# Altium PCB e-puck3-coreboard.PcbDoc (part 1 of 7) (continued)
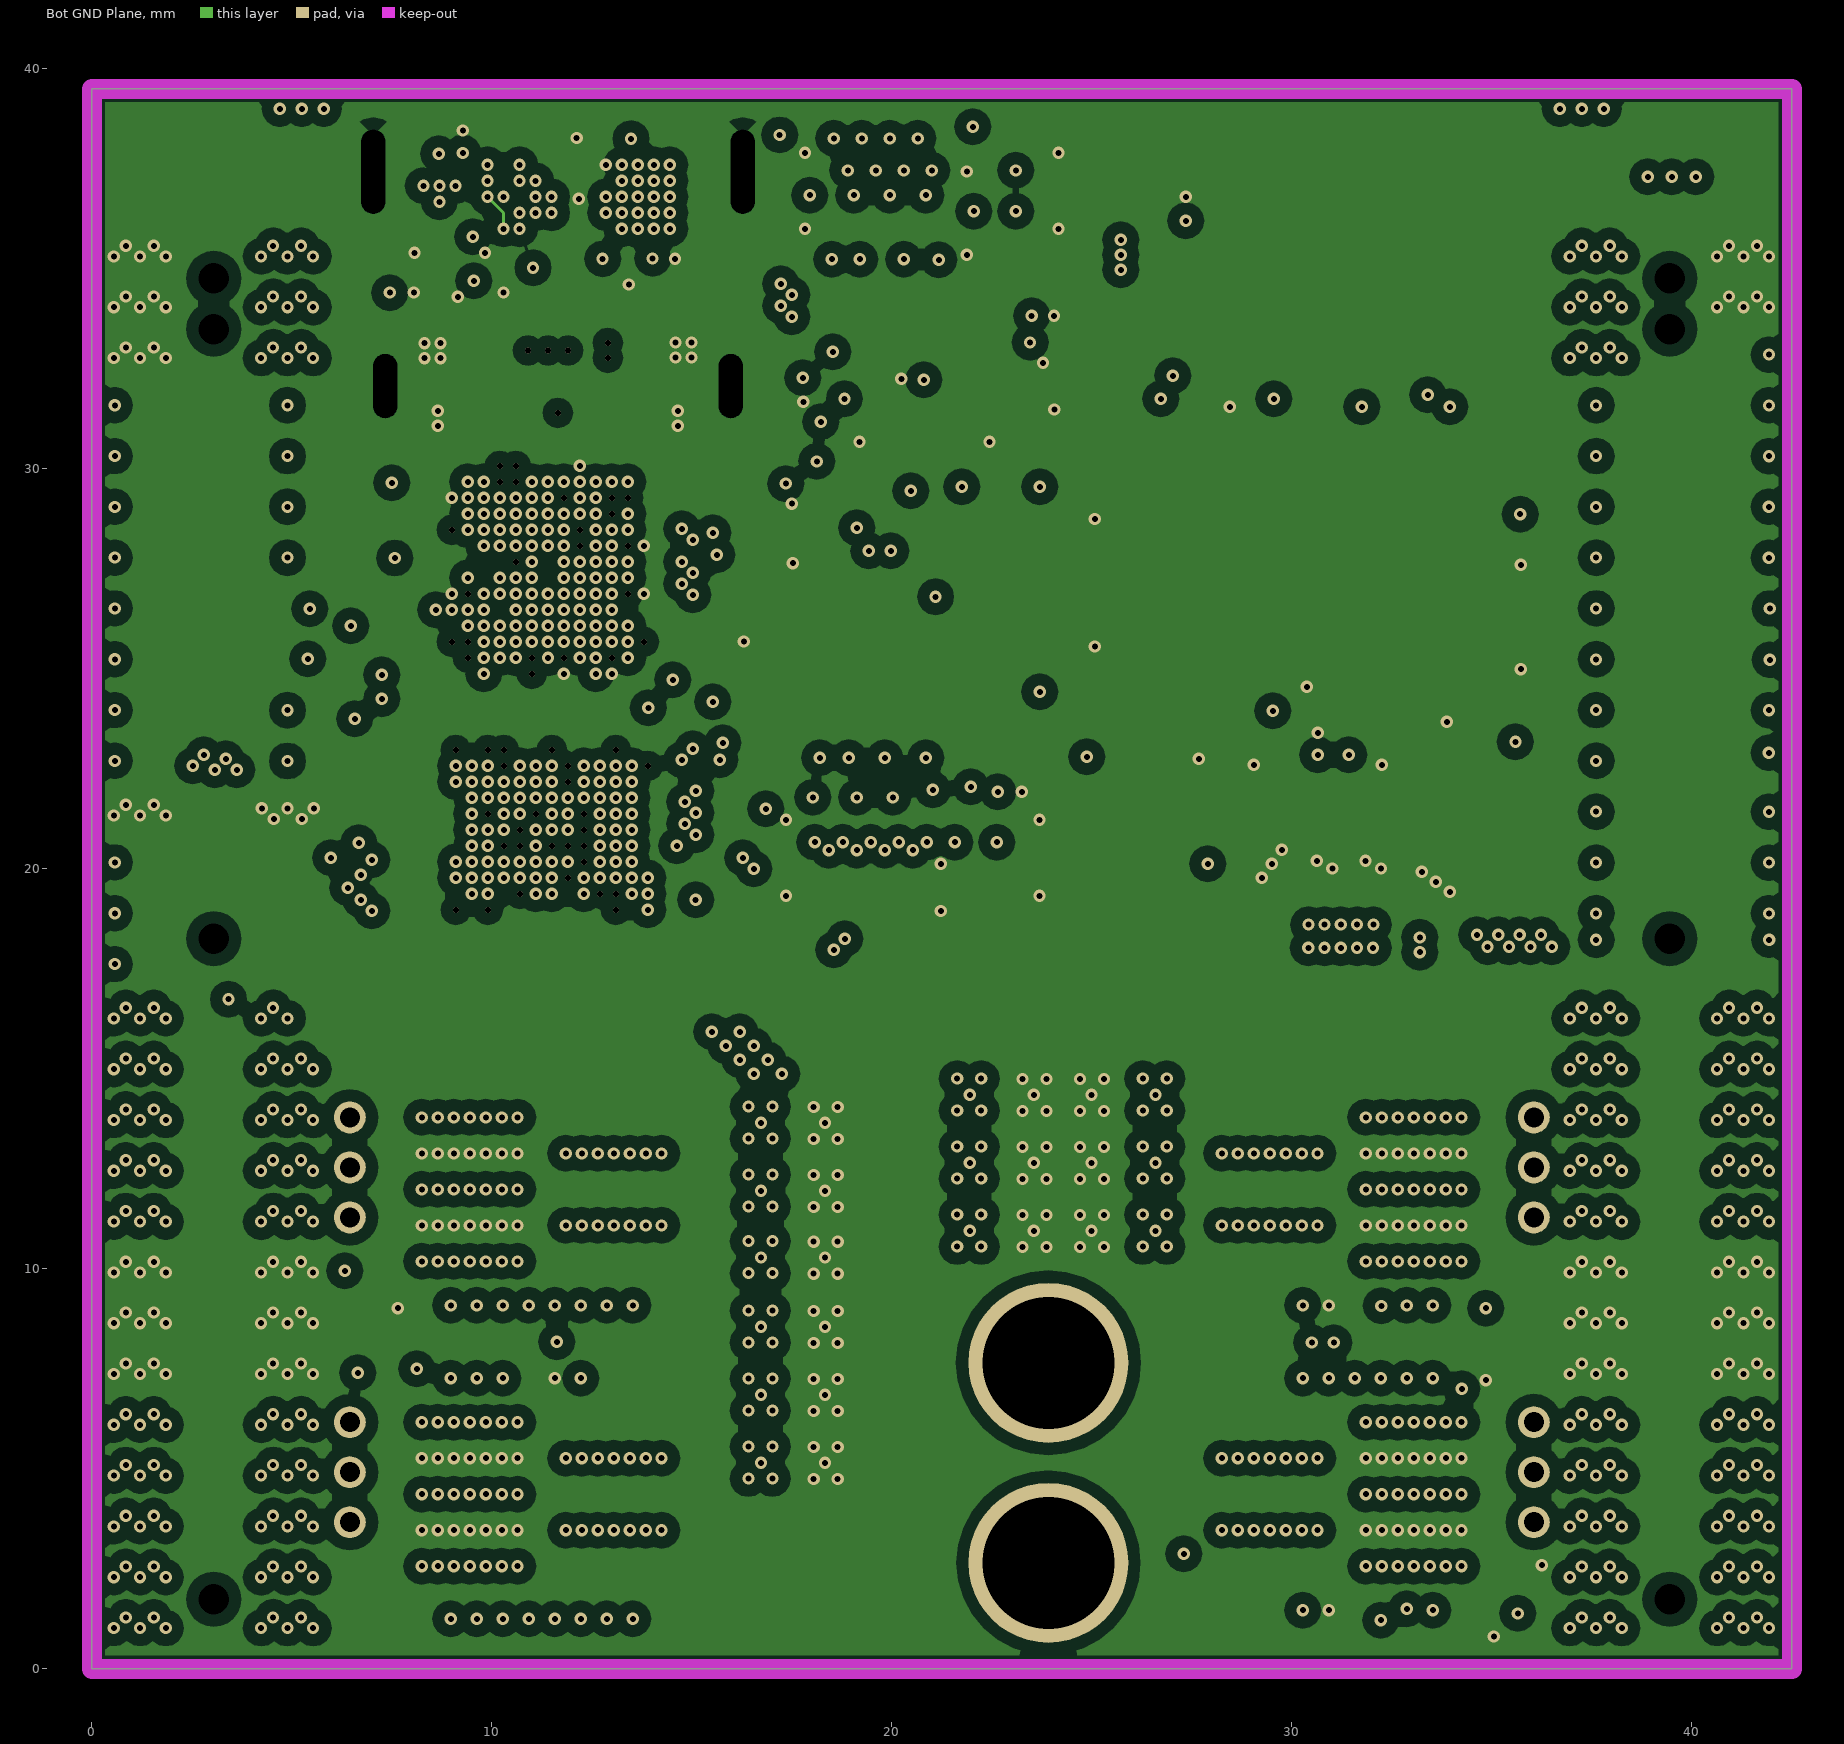
[diagram p9: Bot GND Plane]

## Layer stack, top to bottom
Top Solder: solder mask 0.0102, Solder Resist, Dk 3.5
Top Layer: signal copper 0.035
Dielectric 1: prepreg 0.1016, Dk 4.3
Top GND Plane: signal copper 0.035
Dielectric 9: core 0.127, Dk 4.3
Top Mid Layer 1: signal copper 0.035
Dielectric 6: prepreg 0.1016, Dk 4.3
Top Mid Layer 2: signal copper 0.035
Dielectric 3: core 0.127, Dk 4.3
Mid GND Plane: signal copper 0.035
Dielectric 5: prepreg 0.1016, Dk 4.3
Bot Mid Layer 3: signal copper 0.035
Dielectric 7: core 0.127, Dk 4.3
Bot Mid Layer 2: signal copper 0.035
Dielectric 4: prepreg 0.1016, Dk 4.3
Bot Mid Layer 1: signal copper 0.035
Dielectric 10: core 0.127, Dk 4.3
Bot GND Plane: signal copper 0.035
Dielectric 2: prepreg 0.1016, Dk 4.3
Bottom Layer: signal copper 0.035
Bottom Solder: solder mask 0.0102, Solder Resist, Dk 3.5

## Board outline
0,0 42.5,0 42.5,39.5 0,39.5

## Design rules (kind name [scope] priority, off if disabled: settings)
AcuteAngle [All] p1 off: minimum=8.80000000000000E+0001 checktracksonly=FALSE
BoardOutlineClearance [All] p1: gap=0.25 ignorepadtopadclearanceinfootprint=FALSE
Clearance Clearance_polygon_POWER [(InPolygon AND InNetClass('POWER_PLANE')) vs not (OnLayer('Keep-Out Layer'))] p1: gap=0.3 ignorepadtopadclearanceinfootprint=FALSE
Clearance Clearance_Normal [All] p2: gap=0.077 ignorepadtopadclearanceinfootprint=FALSE except(0.15: Arc-Hole Track-Hole SMDPad-Hole THPad-Hole Via-Hole Fill-Hole Poly-Hole Region-Hole Text-Hole)
ComponentClearance [All] p1: gap=0.2 collisioncheckmode=3 verticalgap=0.2 showdistances=FALSE
FabricationTestPointUsage TestPointUsage [All] p1: valid=0 allowmultiple=FALSE
FabricationTestpoint Testpoint [All] p1: side=3 testpointundercomponent=TRUE minsize=1.016 maxsize=2.54 preferedsize=1.524 minholesize=0 maxholesize=1.016 preferedholesize=0.813 testpointgrid=0.025 allowsidetop=TRUE allowsidebottom=TRUE usegrid=TRUE gridtolerance=0
Height [All] p1 off: minheight=0 maxheight=25.4 prefheight=12.7
HoleSize [All] p1: absolutevalues=TRUE maxlimit=6 minlimit=0.1 maxpercent=80.000 minpercent=20.000
HoleToHoleClearance [All] p1: gap=0.2 allowstackedmicrovias=TRUE
MinimumAnnularRing [All] p1: minimumring=0.077
MinimumSolderMaskSliver [All] p1: minsoldermaskwidth=0.1
PlaneClearance [All] p1: clearance=0.4
PlaneConnect [All] p1: planeconnectstyle=Relief reliefexpansion=0.508 reliefentries=4 reliefconductorwidth=0.2 reliefairgap=0.254
PolygonConnect PolygonConnect_DirectBat- [All vs IsNamedPolygon('Top Layer-BAT-')] p1: connectstyle=Direct reliefconductorwidth=0.254 reliefentries=4 polygonreliefangle="90 Angle" airgapwidth=0.254
PolygonConnect PolygonConnect_POWER [InNetClass('POWER_PLANE')] p2: thpad.connectstyle=Relief thpad.reliefconductorwidth=2 thpad.reliefentries=4 thpad.polygonreliefangle="45 Angle" thpad.airgapwidth=0.3 smdpad.connectstyle=Direct smdpad.reliefconductorwidth=2 smdpad.reliefentries=4 smdpad.polygonreliefangle="45 Angle" smdpad.airgapwidth=0.3 via.connectstyle=Direct via.reliefconductorwidth=2 via.reliefentries=4 via.polygonreliefangle="45 Angle" via.airgapwidth=0.3
PolygonConnect PolygonConnect_Via [IsVia] p3: connectstyle=Direct reliefconductorwidth=0.254 reliefentries=4 polygonreliefangle="90 Angle" airgapwidth=0.254
PolygonConnect [All] p4: connectstyle=Relief reliefconductorwidth=0.2 reliefentries=4 polygonreliefangle="90 Angle" airgapwidth=0.2
RoutingCorners [All] p1: cornerstyle=45-Degree minsetback=1 maxsetback=2.54
RoutingVias [All] p1: holewidth=0.3 width=0.6 viastyle="Through Hole" minholewidth=0.1 minwidth=0 maxholewidth=1 maxwidth=4
SMDToCorner [All] p1 off: distance=78740
SMDToPlane [All] p1 off: distance=118110
SilkToSilkClearance [All] p1: silktosilkclearance=0.2
SilkToSolderMaskClearance SilkscreenOverComponentPads [IsPad] p1: minsilkscreentomaskgap=0.2 clearancetoexposedcopper=TRUE
SolderMaskExpansion SolderMaskExpansion_Via [isVia] p1: expansion=-5
SolderMaskExpansion [All] p2: expansion=0.05
ViasUnderSMD [All] p1: allowed=TRUE
Width [All] p1: maxlimit=6 minlimit=0.077 preferedwidth=0.1
18 further rules are at their usual default settings.

## Classes and differential pairs
net class USB_HS: DM_HUB_7 DP_HUB_7
net class POWER_PLANE: 3V BAT+ BAT- GND VBUS
channel class ESC_2S-5S: U1_ESC U2_ESC U3_ESC U4_ESC
component class U_Wireless: C65 C66 R74 U17
component class U_USB: C57 C58 C59 C60 C61 C62 C63 C64 C83 C84 C87 C88 D14 D15 P3 R64 R65 R67 R68 R69 R70 R71 R72 R73 U12 U13 U14 U16
component class "U_Sensors + CAN": C67 C68 C69 C70 C71 C72 C73 C74 C75 C76 C77 C78 C79 C80 C81 C82 J1 MIC1 MIC2 MIC3 MIC4 R75 R76 U18 U19 U20 U21 U22 U23
component class U_Programmer: C20 C21 C22 C23 C24 C25 C26 C27 C28 C29 C30 C31 C32 C33 C34 C35 C36 C37 C38 C39 C40 C41 C42 L2 P1 R6 R7 R8 R9 R10 R11 R12 R83 SW4 SW5 U2 U3 X2
component class U_Power: C43 C44 C45 C46 C47 C48 C49 C50 C85 D1 D2 D3 D4 D5 R13 R14 R15 R16 R17 R18 R19 R20 R21 R22 R23 R24 R25 R26 R27 R28 R29 R66 SW6 T1 T2 T3 T4 T5 U4 U5 U6 U7 U8 U9 U10
component class U_Main_uC: C1 C2 C3 C4 C5 C6 C7 C8 C9 C10 C11 C12 C13 C14 C15 C16 C17 C18 C19 L1 R2 R3 R4 R5 R81 R82 SW1 SW2 SW3 U1 X1
component class U_Leds: D6 D7 D8 D9 D10 D11 D12 D13 R40 R41 R42 R43 R44 R45 R46 R47 R48 R49 R50 R51 R52 R53 R54 R55 R56 R57 R58 R59 R60 R61 R62 R63
component class U_Extension_Connectors: J2 J3 J4 J5 P6
component class U_Camera_sdcard: P4 P5 R77 R78 R79 R80 SD1
component class U4_ESC: C51_4 C52_4 C53_4 C54_4 C55_4 C56_4 P2_4 R30_4 R31_4 R32_4 R33_4 R34_4 R35_4 R36_4 R37_4 R38_4 R39_4 U11_4
component class U3_ESC: C51_3 C52_3 C53_3 C54_3 C55_3 C56_3 P2_3 R30_3 R31_3 R32_3 R33_3 R34_3 R35_3 R36_3 R37_3 R38_3 R39_3 U11_3
component class U2_ESC: C51_2 C52_2 C53_2 C54_2 C55_2 C56_2 P2_2 R30_2 R31_2 R32_2 R33_2 R34_2 R35_2 R36_2 R37_2 R38_2 R39_2 U11_2
component class U1_ESC: C51_1 C52_1 C53_1 C54_1 C55_1 C56_1 P2_1 R30_1 R31_1 R32_1 R33_1 R34_1 R35_1 R36_1 R37_1 R38_1 R39_1 U11_1

## Components (designator, comment, footprint, x,y, rotation, side; value= is the part's Value field where it differs from the comment)
C1 "100nF 6.3V" CAPC0201(0603)33_L 16.58,27.65 r0 bottom
C2 "100nF" CAPC0201(0603)33_L 10.5,24.9 r90 top
C3 "1uF" CAPC0201(0603)33_L 9.9,24.9 r90 top
C4 "100nF" CAPC0201(0603)33_L 13.901,29.705 r180 top
C5 "1uF" CAPC0201(0603)33_L 13.901,30.3 r180 top
C6 "100nF" CAPC0201(0603)33_L 9.18,27.375 r180 top
C7 "1uF" CAPC0201(0603)33_L 9.18,27.975 r180 top
C8 "2.2uF" CAPC0201(0603)33_L 9.275,26.275 r0 top
C9 "2.2uF" CAPC0201(0603)33_L 11.425,30.125 r0 top
C10 "100nF" CAPC0201(0603)33_L 12.7,28.2 r90 top
C11 "100nF" CAPC0201(0603)33_L 14.4,28.5 r0 top
C12 "100nF" CAPC0201(0603)33_L 12.325,24.875 r270 top
C13 "100nF" CAPC0201(0603)33_L 13.5,25 r270 top
C14 "100nF" CAPC0201(0603)33_L 8.925,24.625 r180 top
C15 "100nF" CAPC0201(0603)33_L 9.6,30.025 r90 top
C16 "100nF" CAPC0201(0603)33_L 11.7,28.275 r270 top
C17 "100nF" CAPC0201(0603)33_L 12.275,29.325 r90 top
C18 "4.7uF" CAPC0201(0603)33_L 13.725,26.27 r0 top
C19 "100nF" CAPC0201(0603)33_L 14.4,29.1 r0 top
C20 "100nF" CAPC0201(0603)33_L 17.219,27.075 r180 bottom
C21 "100nF" CAPC0201(0603)33_L 11.475,19.225 r180 top
C22 "100nF" CAPC0201(0603)33_L 12.425,23.275 r270 top
C23 "1uF" CAPC0201(0603)33_L 11.525,23.575 r180 top
C24 "100nF" CAPC0201(0603)33_L 13.605,19.61 r90 top
C25 "1uF" CAPC0201(0603)33_L 14.205,19.61 r90 top
C26 "100nF" CAPC0201(0603)33_L 13.6,18.4 r270 top
C27 "1uF" CAPC0201(0603)33_L 14.2,18.4 r270 top
C28 "2.2uF" CAPC0201(0603)33_L 10.325,23.575 r0 top
C29 "2.2uF" CAPC0201(0603)33_L 14.78,22.58 r0 top
C30 "100nF" CAPC0201(0603)33_L 9.125,21.125 r180 top
C31 "100nF" CAPC0201(0603)33_L 13.325,21.1 r0 top
C32 "100nF" CAPC0201(0603)33_L 13.325,20.5 r0 top
C33 "100nF" CAPC0201(0603)33_L 13.1,23.74 r90 top
C34 "100nF" CAPC0201(0603)33_L 13.325,21.7 r0 top
C35 "100nF" CAPC0201(0603)33_L 12.3,18.7 r270 top
C36 "100nF" CAPC0201(0603)33_L 10.075,19.9 r180 top
C37 "100nF" CAPC0201(0603)33_L 9.125,20.525 r180 top
C38 "100nF" CAPC0201(0603)33_L 11.5,20.855 r90 top
C39 "100nF" CAPC0201(0603)33_L 10.7,21.28 r90 top
C40 "100nF" CAPC0201(0603)33_L 9.65,22.175 r270 top
C41 "100nF" CAPC0201(0603)33_L 9.025,22.175 r270 top
C42 "4.7uF" CAPC0201(0603)33_L 10.475,18.575 r270 top
C43 "22uF 35V" CAPC2012X13L 28.7,20.125 r0 bottom
C44 "100pF" CAPC0201(0603)33_L 27.9,19.56 r0 top
C45 "1uF" CAPC0201(0603)33_L 23.781,31.485 r0 bottom
C46 "1uF" CAPC0201(0603)33_L 23.777,33.825 r0 bottom
C47 "22uF 35V" CAPC2012X13L 33.6,18.875 r90 bottom
C48 "100pF" CAPC0201(0603)33_L 33.175,18.875 r0 top
C49 "47uF" CAPC1608X08L 30.818,19.355 r90 bottom
C50 "47uF" CAPC1608X08L 32.039,19.355 r90 bottom
C51_1 "100nF 35V X7R" CAPC1005X05L 13.2,16 r0 bottom (schematic designator C51)
C51_2 "100nF 35V X7R" CAPC1005X05L 28.275,8.175 r180 bottom (schematic designator C51)
C51_3 "100nF 35V X7R" CAPC1005X05L 27.25,1.285 r90 bottom (schematic designator C51)
C51_4 "100nF 35V X7R" CAPC1005X05L 14.925,7.625 r270 bottom (schematic designator C51)
C52_1 "1uF 16V X7R" CAPC1608X08L 4.05,16.15 r0 top (schematic designator C52)
C52_2 "1uF 16V X7R" CAPC1608X08L 38.45,16.15 r180 top (schematic designator C52)
C52_3 "1uF 16V X7R" CAPC1608X08L 26.957,3.836 r270 bottom (schematic designator C52)
C52_4 "1uF 16V X7R" CAPC1608X08L 6.65,8.15 r270 bottom (schematic designator C52)
C53_1 "22uF 35V" CAPC2012X13L 17.531,13.65 r0 bottom (schematic designator C53)
C53_2 "22uF 35V" CAPC2012X13L 22.75,10.95 r0 bottom (schematic designator C53)
C53_3 "22uF 35V" CAPC2012X13L 25.79,12.65 r180 bottom (schematic designator C53)
C53_4 "22uF 35V" CAPC2012X13L 17.531,8.55 r0 bottom (schematic designator C53)
C54_1 "22uF 35V" CAPC2012X13L 17.531,11.95 r0 bottom (schematic designator C54)
C54_2 "22uF 35V" CAPC2012X13L 22.75,12.65 r0 bottom (schematic designator C54)
C54_3 "22uF 35V" CAPC2012X13L 25.79,14.35 r180 bottom (schematic designator C54)
C54_4 "22uF 35V" CAPC2012X13L 17.531,6.85 r0 bottom (schematic designator C54)
C55_1 "22uF 35V" CAPC2012X13L 17.531,10.285 r0 bottom (schematic designator C55)
C55_2 "22uF 35V" CAPC2012X13L 25.79,10.95 r180 bottom (schematic designator C55)
C55_3 "22uF 35V" CAPC2012X13L 22.75,14.35 r0 bottom (schematic designator C55)
C55_4 "22uF 35V" CAPC2012X13L 17.531,5.15 r0 bottom (schematic designator C55)
C56_1 "4.7uF 10V X7R" CAPC2012X13L 3.05,8.75 r180 top (schematic designator C56)
C56_2 "4.7uF 10V X7R" CAPC2012X13L 36.15,8.75 r0 top (schematic designator C56)
C56_3 "4.7uF 10V X7R" CAPC2012X13L 39.45,8.75 r0 top (schematic designator C56)
C56_4 "4.7uF 10V X7R" CAPC2012X13L 6.35,8.75 r180 top (schematic designator C56)
C57 "100nF" CAPC0201(0603)33_L 9.275,38.175 r90 bottom
C58 "330pF" CAPC0201(0603)33_L 8.35,35.4 r180 bottom
C59 "330pF" CAPC0201(0603)33_L 9.55,35.4 r0 bottom
C60 "100nF 50V X7R" CAPC1005X05L 9.025,32.975 r180 bottom
C61 "1.5uF" CAPC0201(0603)33_L 13.2,38.25 r180 bottom
C62 "1.5uF" CAPC0201(0603)33_L 13.05,35.25 r0 bottom
C63 "100nF" CAPC0201(0603)33_L 14.3,35.25 r0 bottom
C64 "1uF" CAPC0201(0603)33_L 10.75,35.025 r180 bottom
C65 "1uF" CAPC0201(0603)33_L 21.575,36.25 r180 top
C66 "100nF" CAPC0201(0603)33_L 21.575,36.85 r180 top
C67 "100nF" CAPC0201(0603)33_L 34.2,23.025 r90 bottom
C68 "4.7uF" CAPC0201(0603)33_L 33.525,23.025 r90 bottom
C69 "100nF" CAPC0201(0603)33_L 22.725,30.675 r180 bottom
C70 "100nF" CAPC0201(0603)33_L 1.6,35.375 r180 top
C71 "1uF" CAPC0201(0603)33_L 4.2,35.375 r0 top
C72 "100nF" CAPC0201(0603)33_L 20.025,24.35 r0 top
C73 "100nF" CAPC0201(0603)33_L 22.225,25.05 r270 top
C74 "100nF" CAPC0201(0603)33_L 19.475,30.675 r180 bottom
C75 "100nF" CAPC0201(0603)33_L 38.3,35.375 r180 top
C76 "1uF" CAPC0201(0603)33_L 40.9,35.375 r0 top
C77 "100nF" CAPC0201(0603)33_L 20.275,2.83 r180 top
C78 "1uF" CAPC0201(0603)33_L 19.175,2.55 r90 top
C79 "100nF" CAPC0201(0603)33_L 22.2,19.54 r180 top
C80 "100nF" CAPC0201(0603)33_L 23.4,20.375 r270 top
C81 "100nF" CAPC0201(0603)33_L 16.475,2.2 r0 bottom
C82 "1uF" CAPC0201(0603)33_L 16.475,1.575 r0 bottom
C83 "330pF" CAPC0201(0603)33_L 8.05,34.125 r90 bottom
C84 "330pF" CAPC0201(0603)33_L 10.293,34.125 r90 bottom
C85 "1uF" CAPC0201(0603)33_L 29.27,11 r180 top
C87 "4.7uF" CAPC0201(0603)33_L 11,38.225 r0 bottom
C88 "1uF" CAPC0201(0603)33_L 7.45,34.125 r270 bottom
D1 "RB751S-40DP-TP" "0201 diode" 32,20.9 r90 top
D2 "RB751S-40DP-TP" "0201 diode" 32.675,20.9 r90 top
D3 "RB751S-40DP-TP" "0201 diode" 25.595,21.805 r270 top
D4 "RB751S-40DP-TP" "0201 diode" 26.375,21.425 r270 top
D5 "GDZ5V1LP3-7" X3-DFN0603-2 26.96,21.415 r90 top
D6 "SML-LX0404SIUPGUSB" LUMEX_SML-LX0404SIUPGUSB 21.25,38.075 r270 top locked
D7 "SML-LX0404SIUPGUSB" LUMEX_SML-LX0404SIUPGUSB 20.1,7.375 r180 top
D8 "SML-LX0404SIUPGUSB" LUMEX_SML-LX0404SIUPGUSB 5.25,38.075 r90 top locked
D9 "SML-LX0404SIUPGUSB" LUMEX_SML-LX0404SIUPGUSB 18.425,21.155 r90 top
D10 "SML-LX0404SIUPGUSB" LUMEX_SML-LX0404SIUPGUSB 1.425,16.05 r90 top locked
D11 "SML-LX0404SIUPGUSB" LUMEX_SML-LX0404SIUPGUSB 41.075,16.05 r0 top locked
D12 "SML-LX0404SIUPGUSB" LUMEX_SML-LX0404SIUPGUSB 20.25,1.425 r180 top locked
D13 "SML-LX0404SIUPGUSB" LUMEX_SML-LX0404SIUPGUSB 37.25,38.075 r180 top locked
D14 "ESDA25P35-1U1M" "0603 - diode" 13.55,32.975 r0 bottom
D15 "ECMF02-2BF3" ECMF02-2BF3 11.825,33.975 r90 bottom
J1 "CC_SolderJP2_Micro" CC_SolderJP_U 21.95,25.075 r270 bottom
J2 "FLE-114-01-G-DV-A" FLE-114-01-G-DV-A 3.05,25.874 r270 top locked
J3 "FLE-114-01-G-DV-A" FLE-114-01-G-DV-A 39.45,25.874 r270 top locked
J4 "FLE-128-01-G-DV-A" FLE-128-01-G-DV-A 3.05,18.25 r90 bottom locked
J5 "FLE-128-01-G-DV-A" FLE-128-01-G-DV-A 39.45,18.25 r90 bottom
L1 "MMZ1005S601HT000" "0402 inductor" 15.475,29.225 r90 top
L2 "MMZ1005S601HT000" "0402 inductor" 14.974,19.435 r270 top
MIC1 "MP34DT05TR-A" MIC-PACK_MP34DT05-A(Primary) 2.4,37.6 r270 top
MIC2 "MP34DT05TR-A" MIC-PACK_MP34DT05-A(Primary) 40.1,37.6 r90 top
MIC3 "MP34DT05TR-A" MIC-PACK_MP34DT05-A(Primary) 19.25,4.75 r90 top locked
MIC4 "MP34DT05TR-A" MIC-PACK_MP34DT05-A(Primary) 19.25,2.2 r270 bottom locked
P1 "SWD_PADS_3pin" SWD_pads_3pin 7.575,27.77 r270 top
P2_1 "0530480350" 0530480350 6.45,11.285 r90 top locked (schematic designator P2)
P2_2 "0530480350" 0530480350 36.05,13.785 r270 top locked (schematic designator P2)
P2_3 "0530480350" 0530480350 36.05,6.165 r270 top locked (schematic designator P2)
P2_4 "0530480350" 0530480350 6.45,3.665 r90 top locked (schematic designator P2)
P3 "201267-0005" MOLEX_2012670005 11.65,39.2 r180 top locked
P4 "HIROSE_BM23FR0.6-30DS-0.35V" HIROSE_BM23FR0.6-30DS-0.35V 21,36.95 r180 bottom locked
P5 "HIROSE_BM23FR0.6-30DS-0.35V" HIROSE_BM23FR0.6-30DS-0.35V 20.525,20.275 r180 bottom locked
P6 "2 power vias" POWERVIAS_2 23.915,7.65 r270 top locked
R1 "1K" RESC0201(0603)_L 21.475,23.7 r0 top
R2 "4K7" RESC0201(0603)_L 35.59,22.875 r270 bottom
R3 "4K7" RESC0201(0603)_L 34.875,22.875 r270 bottom
R4 "100K" RESC0201(0603)_L 9.225,15.075 r0 top
R5 "100K" RESC0201(0603)_L 12.421,26.622 r90 top
R6 "4K7" RESC0201(0603)_L 16.175,13.525 r270 top
R7 "100K" RESC0201(0603)_L 15.575,13.525 r90 top
R8 "100K" RESC0201(0603)_L 8.925,10.025 r0 top
R9 "100K" RESC0201(0603)_L 17.787,31.975 r270 bottom
R10 "100K" RESC0201(0603)_L 20.237,31.95 r90 bottom
R11 "100K" RESC0201(0603)_L 9.5,18.44 r0 top
R12 "100K" RESC0201(0603)_L 14.99,17.925 r270 top
R13 "1R 0.25W" RESC1608X06L 27.95,10.875 r270 top
R14 "3M9" RESC0201(0603)_L 19.515,32.467 r180 top
R15 "1M" RESC0201(0603)_L 19.515,33.067 r180 top
R16 "3M9" RESC0201(0603)_L 18.315,32.467 r0 top
R17 "3M9" RESC0201(0603)_L 35.453,21.58 r180 top
R18 "649K" RESC0201(0603)_L 18.315,33.067 r0 top
R19 "649K" RESC0201(0603)_L 35.453,22.18 r0 top
R20 "10K 0.5%" RESC0201(0603)_L 27.9,18.91 r0 top
R21 "100K" RESC0201(0603)_L 24.925,20.625 r270 top
R22 "3K3 0.5%" RESC1005X04L 27.65,20.375 r180 top
R23 "9K31 0.5%" RESC1005X04L 29.025,19.5 r90 top
R24 "1M" RESC0201(0603)_L 30.646,21.95 r180 top
R25 "100K" RESC0201(0603)_L 26.554,22.288 r180 top
R26 "100K" RESC0201(0603)_L 29.2,21.575 r270 top
R27 "100K" RESC0201(0603)_L 31.325,20.9 r90 top
R28 "10K 0.5%" RESC0201(0603)_L 33.175,19.475 r0 top
R29 "2K49 0.5%" RESC1005X04L 35.325,16.915 r270 top
R30_1 "4K7" RESC0201(0603)_L 13.55,16.15 r90 top (schematic designator R30)
R30_2 "4K7" RESC0201(0603)_L 34.75,13.525 r180 top (schematic designator R30)
R30_3 "4K7" RESC0201(0603)_L 34.75,6.275 r180 top (schematic designator R30)
R30_4 "4K7" RESC0201(0603)_L 7.675,3.665 r0 top (schematic designator R30)
R31_1 "4K7" RESC0201(0603)_L 12.35,16.15 r90 top (schematic designator R31)
R31_2 "4K7" RESC0201(0603)_L 34.75,12.535 r180 top (schematic designator R31)
R31_3 "4K7" RESC0201(0603)_L 34.738,5.388 r180 top (schematic designator R31)
R31_4 "4K7" RESC0201(0603)_L 7.675,4.575 r0 top (schematic designator R31)
R32_1 "4K7" RESC0201(0603)_L 11.15,16.15 r90 top (schematic designator R32)
R32_2 "4K7" RESC0201(0603)_L 34.75,11.285 r180 top (schematic designator R32)
R32_3 "4K7" RESC0201(0603)_L 34.725,4.525 r180 top (schematic designator R32)
R32_4 "4K7" RESC0201(0603)_L 7.675,5.25 r0 top (schematic designator R32)
R33_1 "1K" RESC0201(0603)_L 10.55,16.15 r270 top (schematic designator R33)
R33_2 "1K" RESC0201(0603)_L 33.842,11.392 r270 top (schematic designator R33)
R33_3 "1K" RESC0201(0603)_L 33.725,7 r90 top (schematic designator R33)
R33_4 "1K" RESC0201(0603)_L 8.95,5.175 r0 top (schematic designator R33)
R34_1 "1K" RESC0201(0603)_L 11.75,16.15 r270 top (schematic designator R34)
R34_2 "1K" RESC0201(0603)_L 33.85,12.585 r90 top (schematic designator R34)
R34_3 "1K" RESC0201(0603)_L 33.725,8.25 r90 top (schematic designator R34)
R34_4 "1K" RESC0201(0603)_L 8.95,4.575 r0 top (schematic designator R34)
R35_1 "1K" RESC0201(0603)_L 12.95,16.15 r270 top (schematic designator R35)
R35_2 "1K" RESC0201(0603)_L 33.525,13.525 r180 top (schematic designator R35)
R35_3 "1K" RESC0201(0603)_L 34.025,9.2 r180 top (schematic designator R35)
R35_4 "1K" RESC0201(0603)_L 8.95,3.975 r0 top (schematic designator R35)
R36_1 "2K7" RESC0201(0603)_L 7.6,16.525 r180 top (schematic designator R36)
R36_2 "2K7" RESC0201(0603)_L 31.35,8.157 r0 bottom (schematic designator R36)
R36_3 "2K7" RESC0201(0603)_L 36.25,1.105 r270 bottom (schematic designator R36)
R36_4 "2K7" RESC0201(0603)_L 11.325,8.175 r180 bottom (schematic designator R36)
R37_1 "2K7" RESC0201(0603)_L 6.4,16.525 r0 top (schematic designator R37)
R37_2 "2K7" RESC0201(0603)_L 34.85,8.715 r270 bottom (schematic designator R37)
R37_3 "2K7" RESC0201(0603)_L 35.65,1.7 r90 bottom (schematic designator R37)
R37_4 "2K7" RESC0201(0603)_L 7.65,7.515 r90 bottom (schematic designator R37)
R38_1 "2K7" RESC0201(0603)_L 7.6,15.9 r0 top (schematic designator R38)
R38_2 "2K7" RESC0201(0603)_L 32.55,8.157 r0 bottom (schematic designator R38)
R38_3 "2K7" RESC0201(0603)_L 35.35,0.805 r180 bottom (schematic designator R38)
R38_4 "2K7" RESC0201(0603)_L 9.975,8.175 r180 bottom (schematic designator R38)